# Altium PCB PCB3.PcbDoc
Units mil, origin at the board's own origin, x right, y up, seen from the top; angles counter-clockwise.
Board outline 1094.49 x 1094.49 mil, 4 copper layers (Top Layer, Layer 1, Layer 2, Bottom Layer), stack 23.756 mil thick; 47 components, 35 nets, 189 pads, 79 vias.
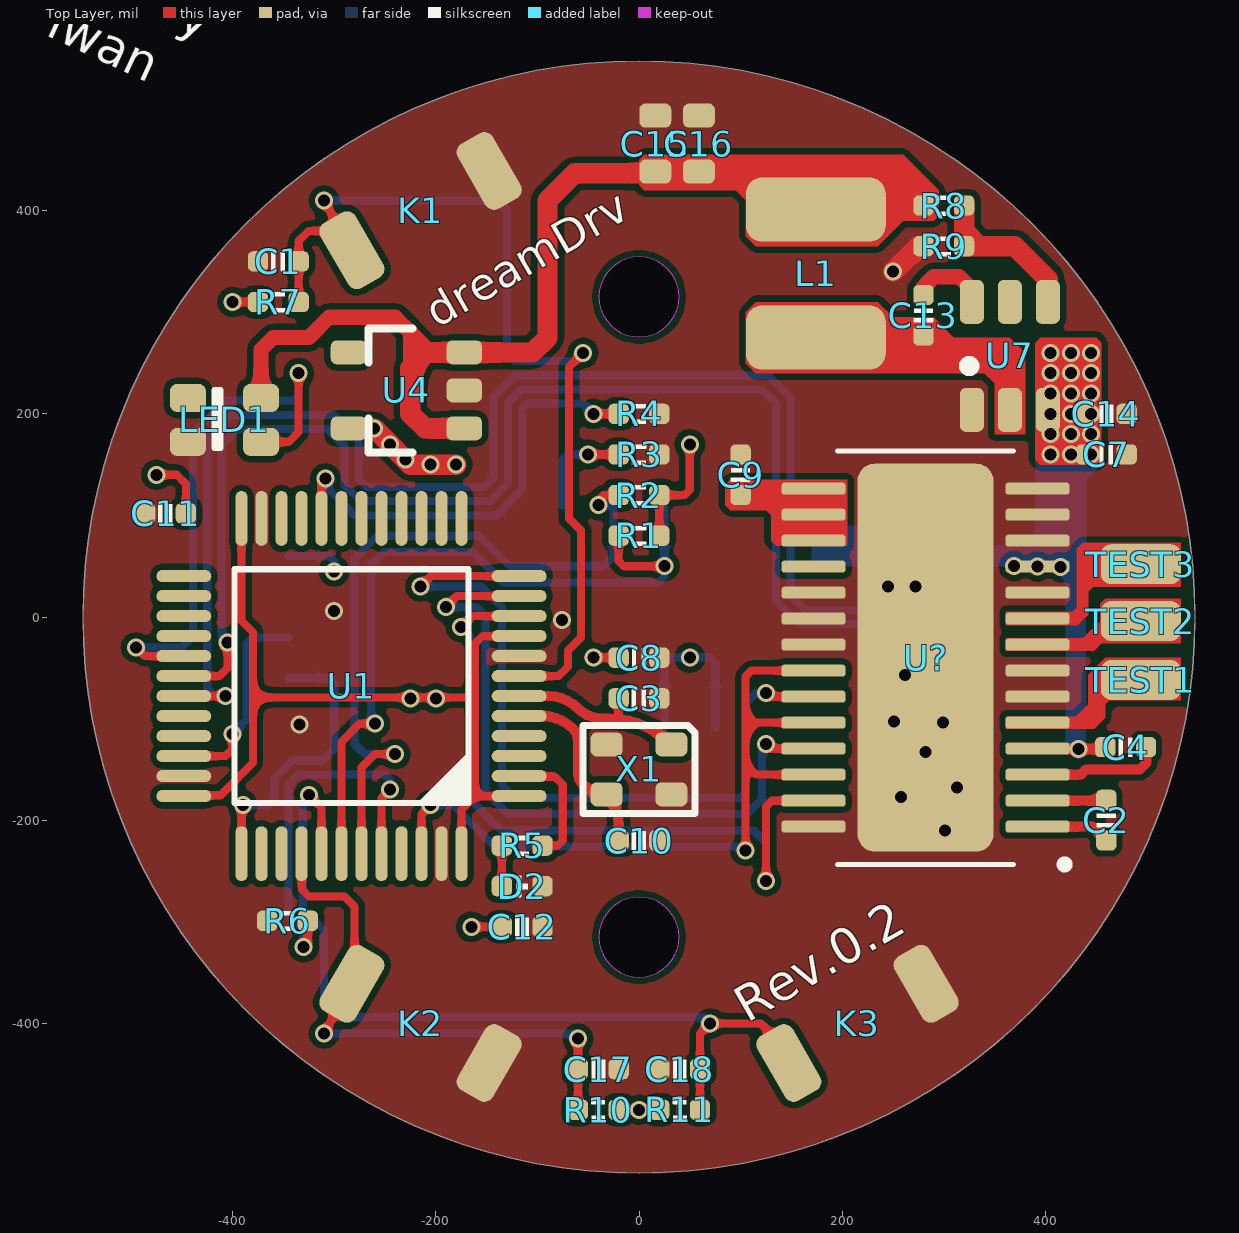
[diagram p0: Top Layer view]
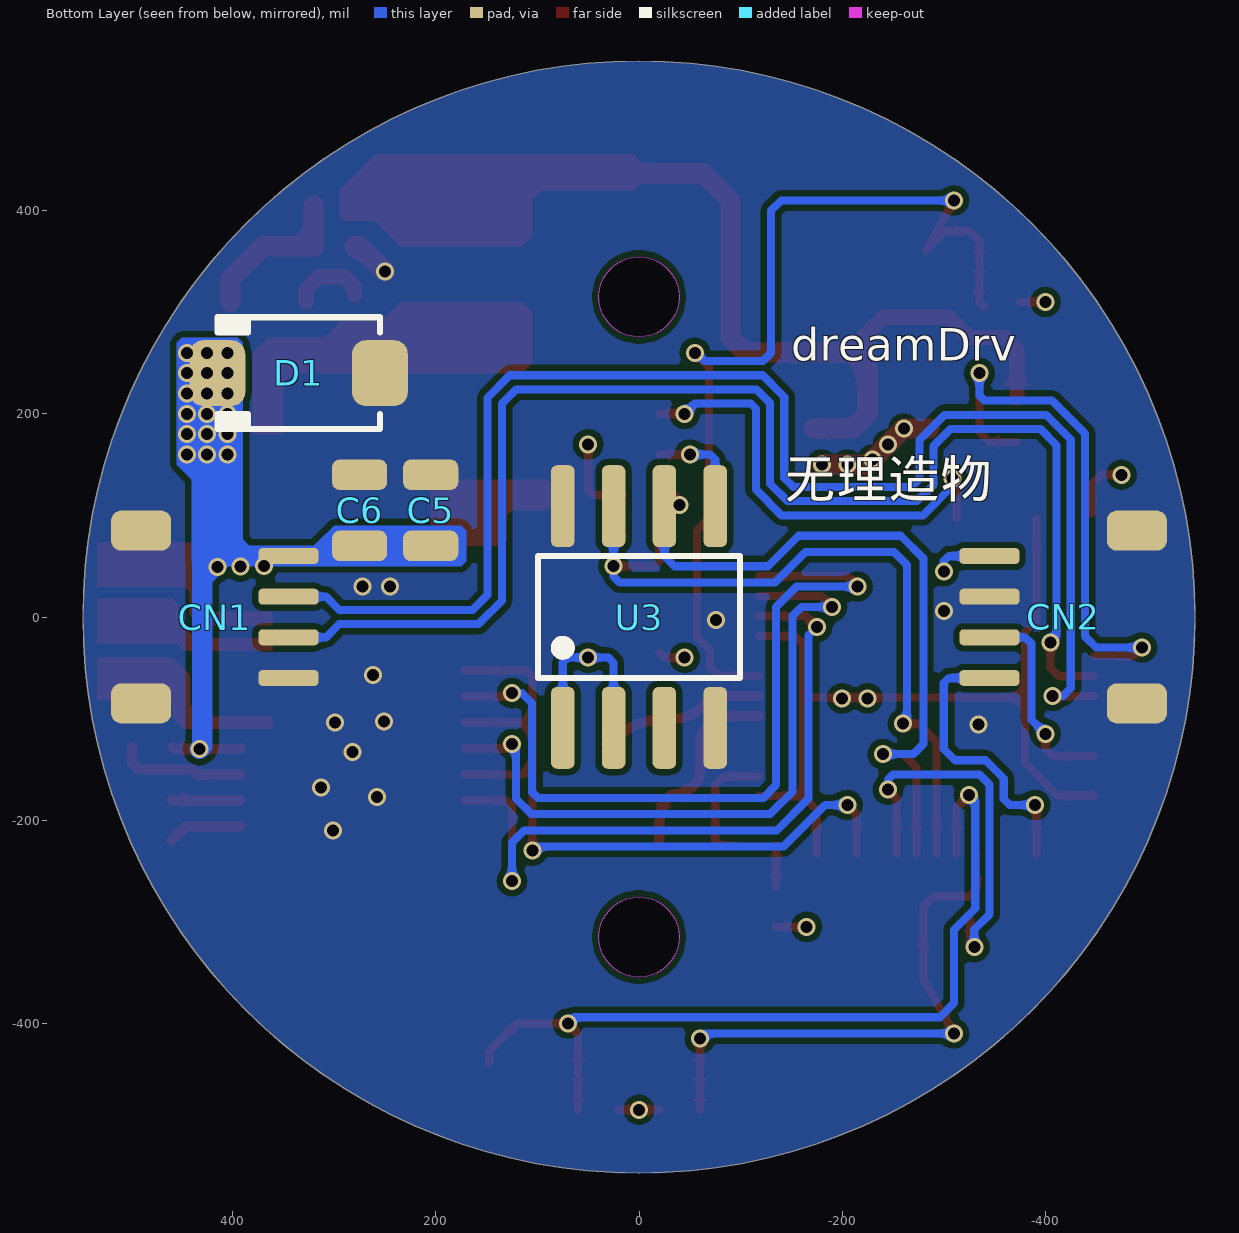
[diagram p1: Bottom Layer view, seen from below]
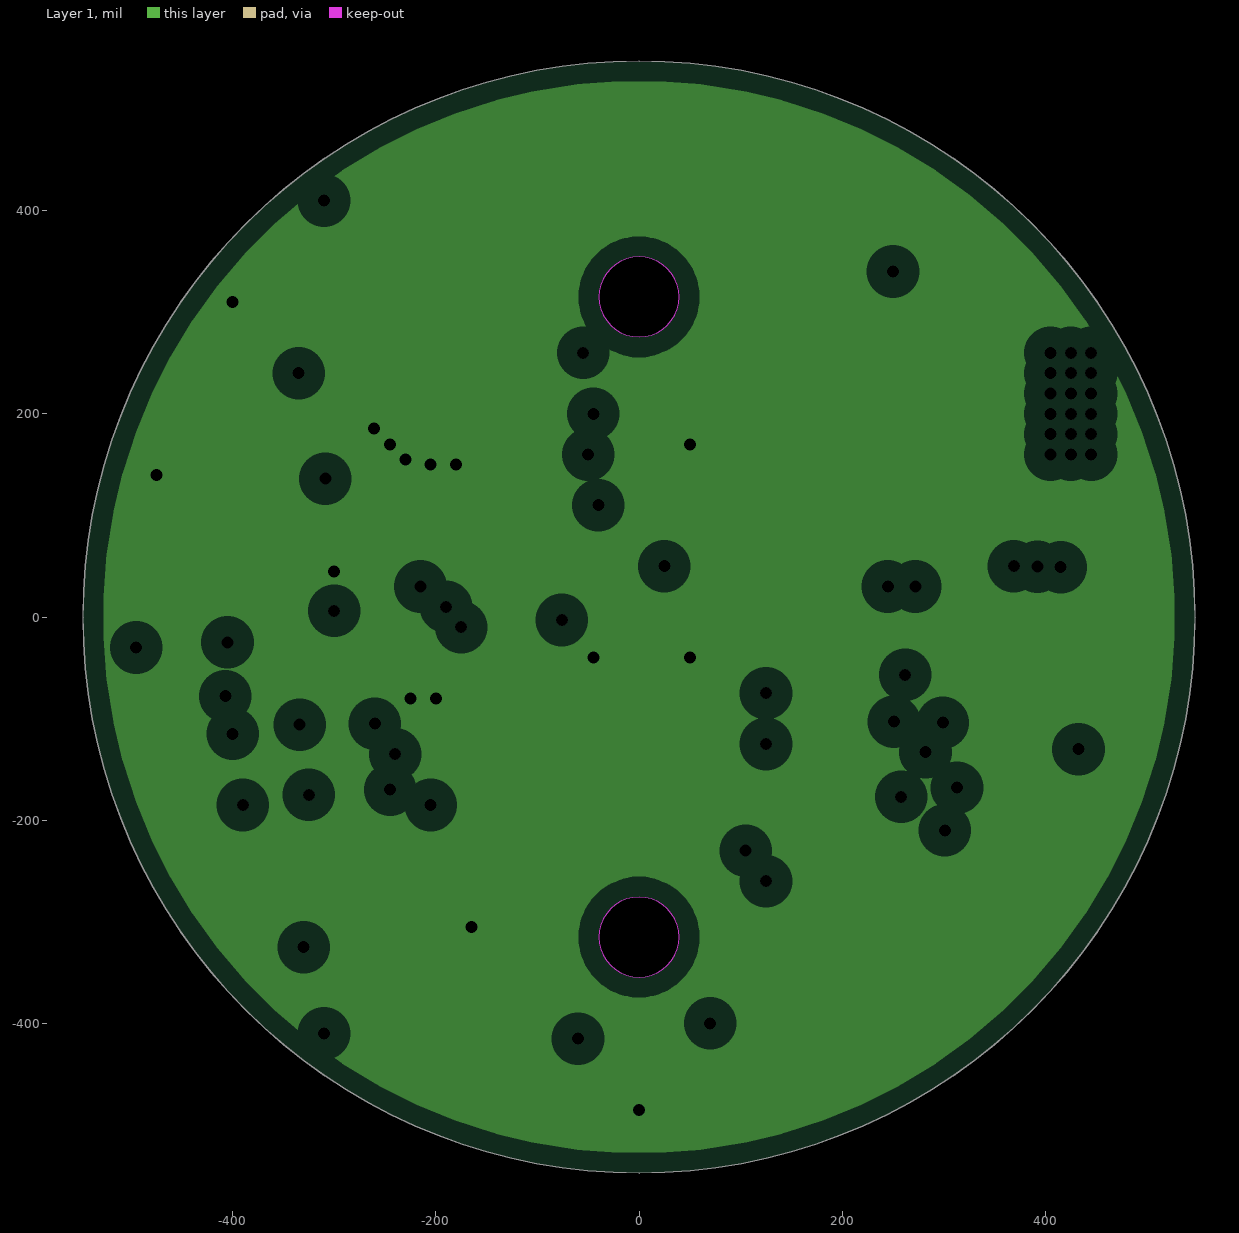
[diagram p2: Layer 1, clearances drawn from the general rule]
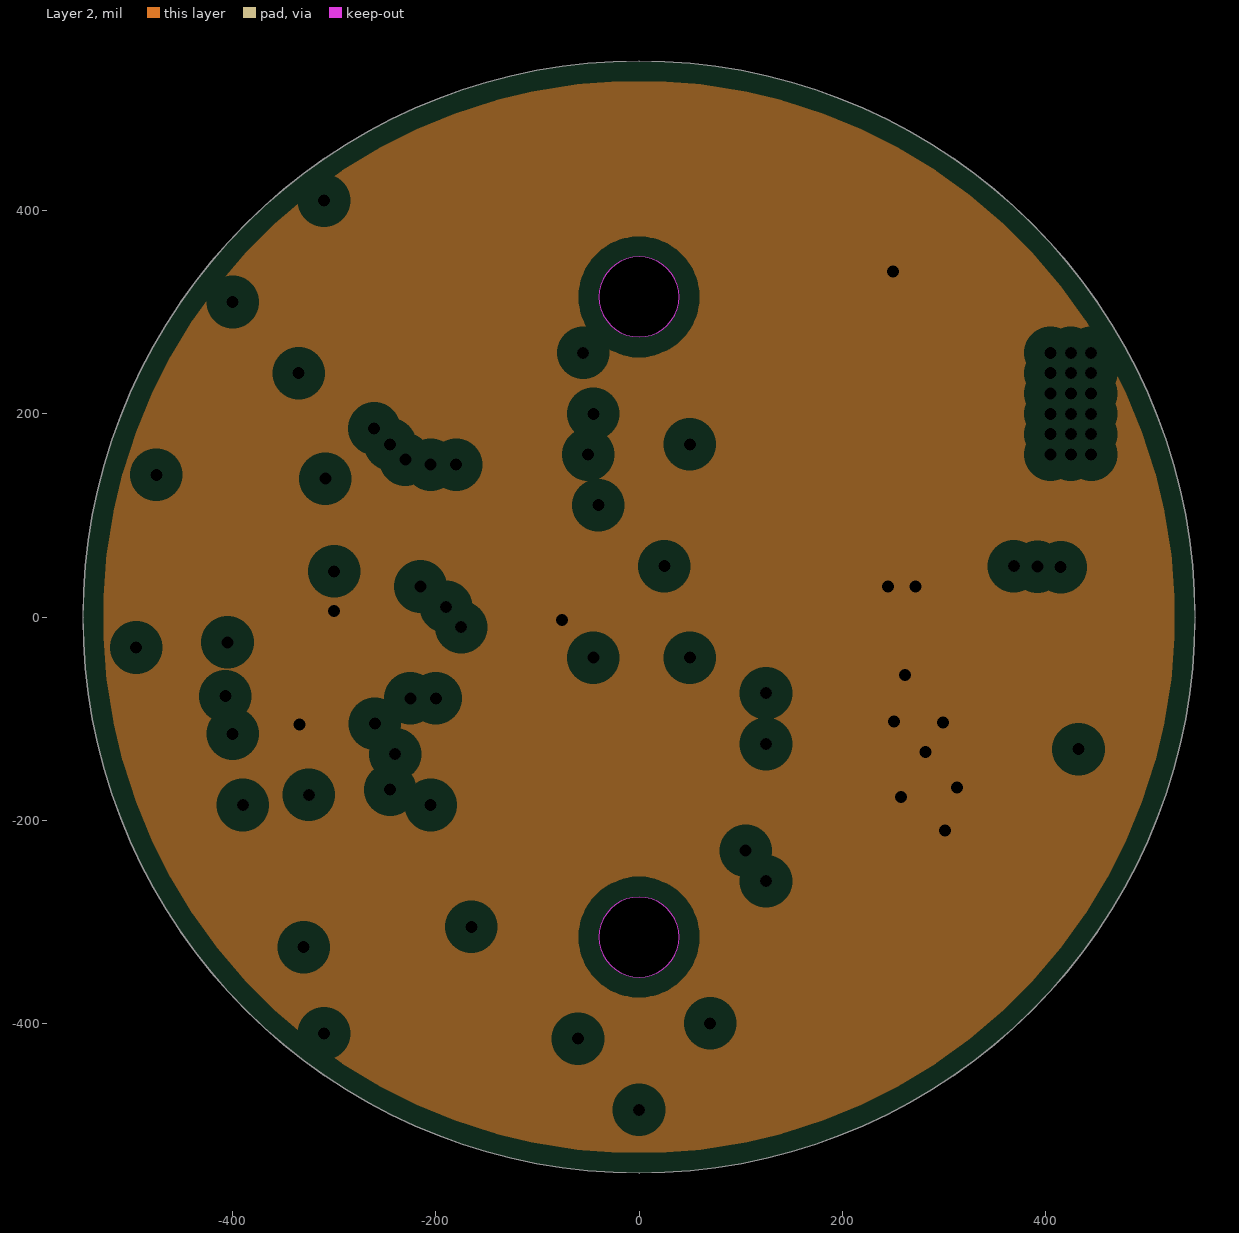
[diagram p3: Layer 2, clearances drawn from the general rule]
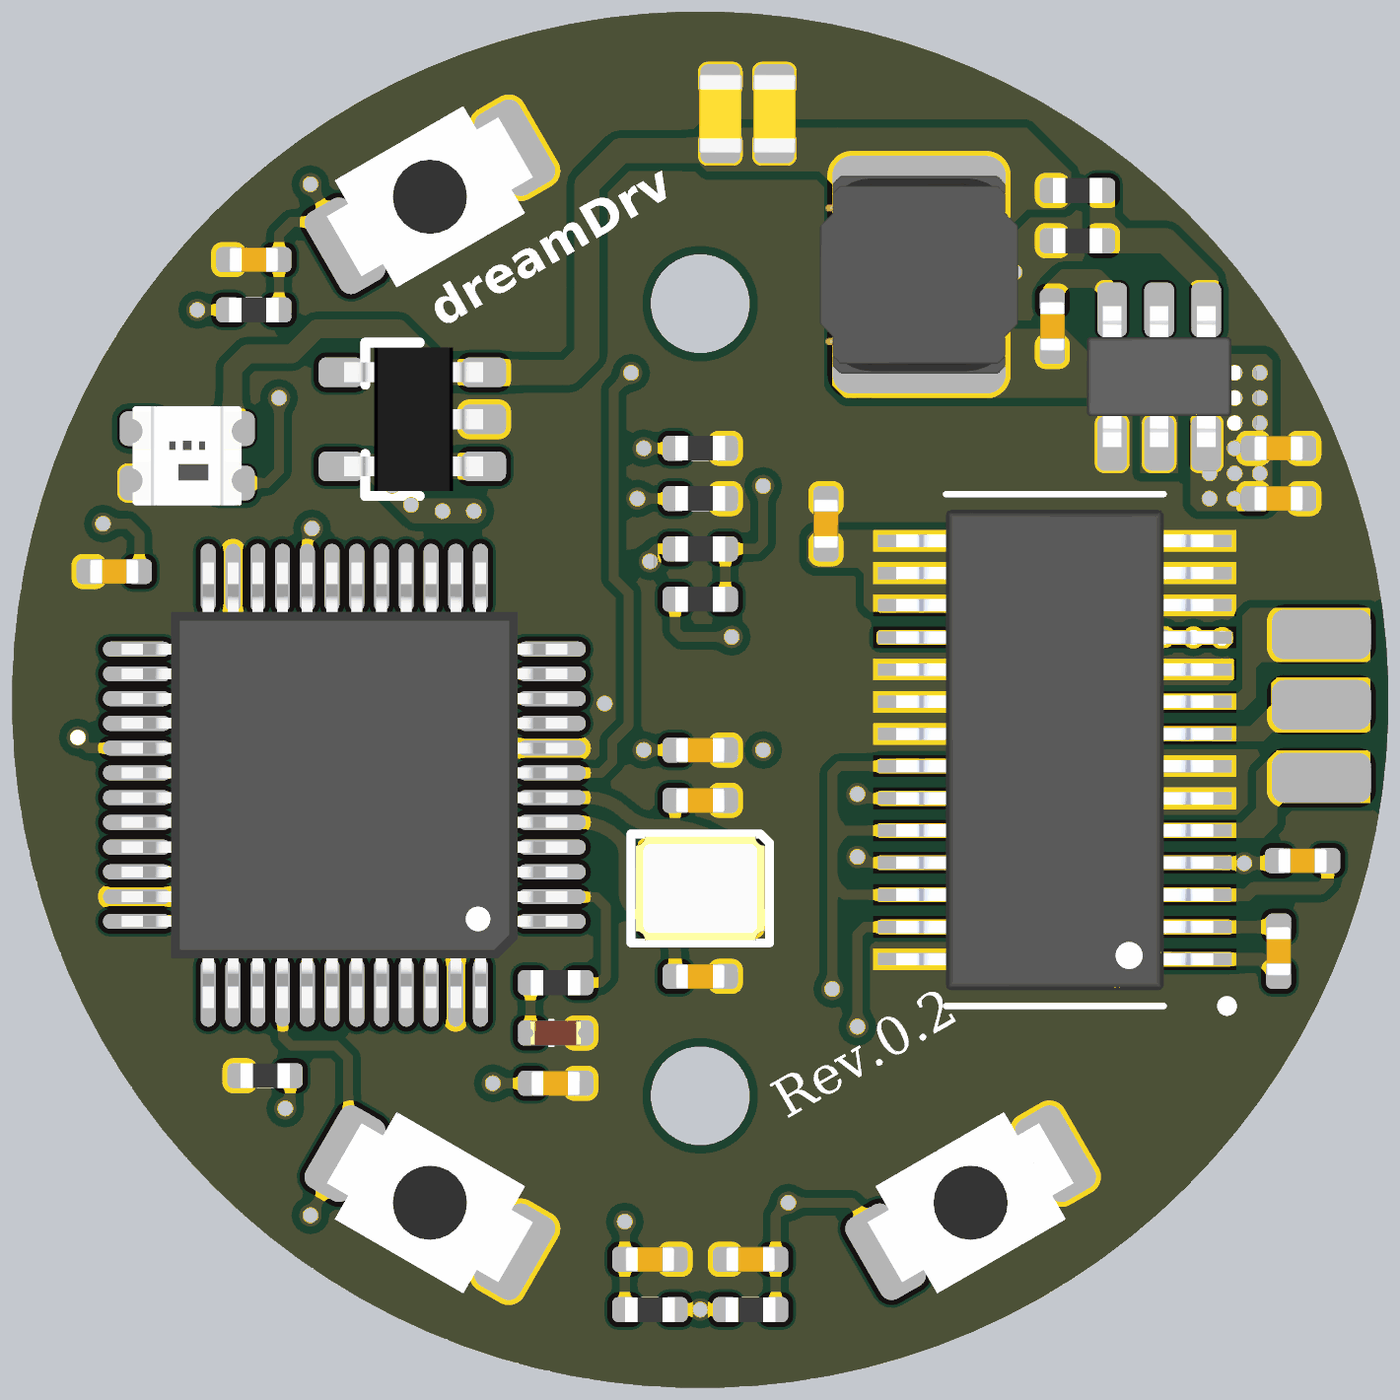
[diagram p4: 3D render of the assembled board from above, using the file's embedded part models]
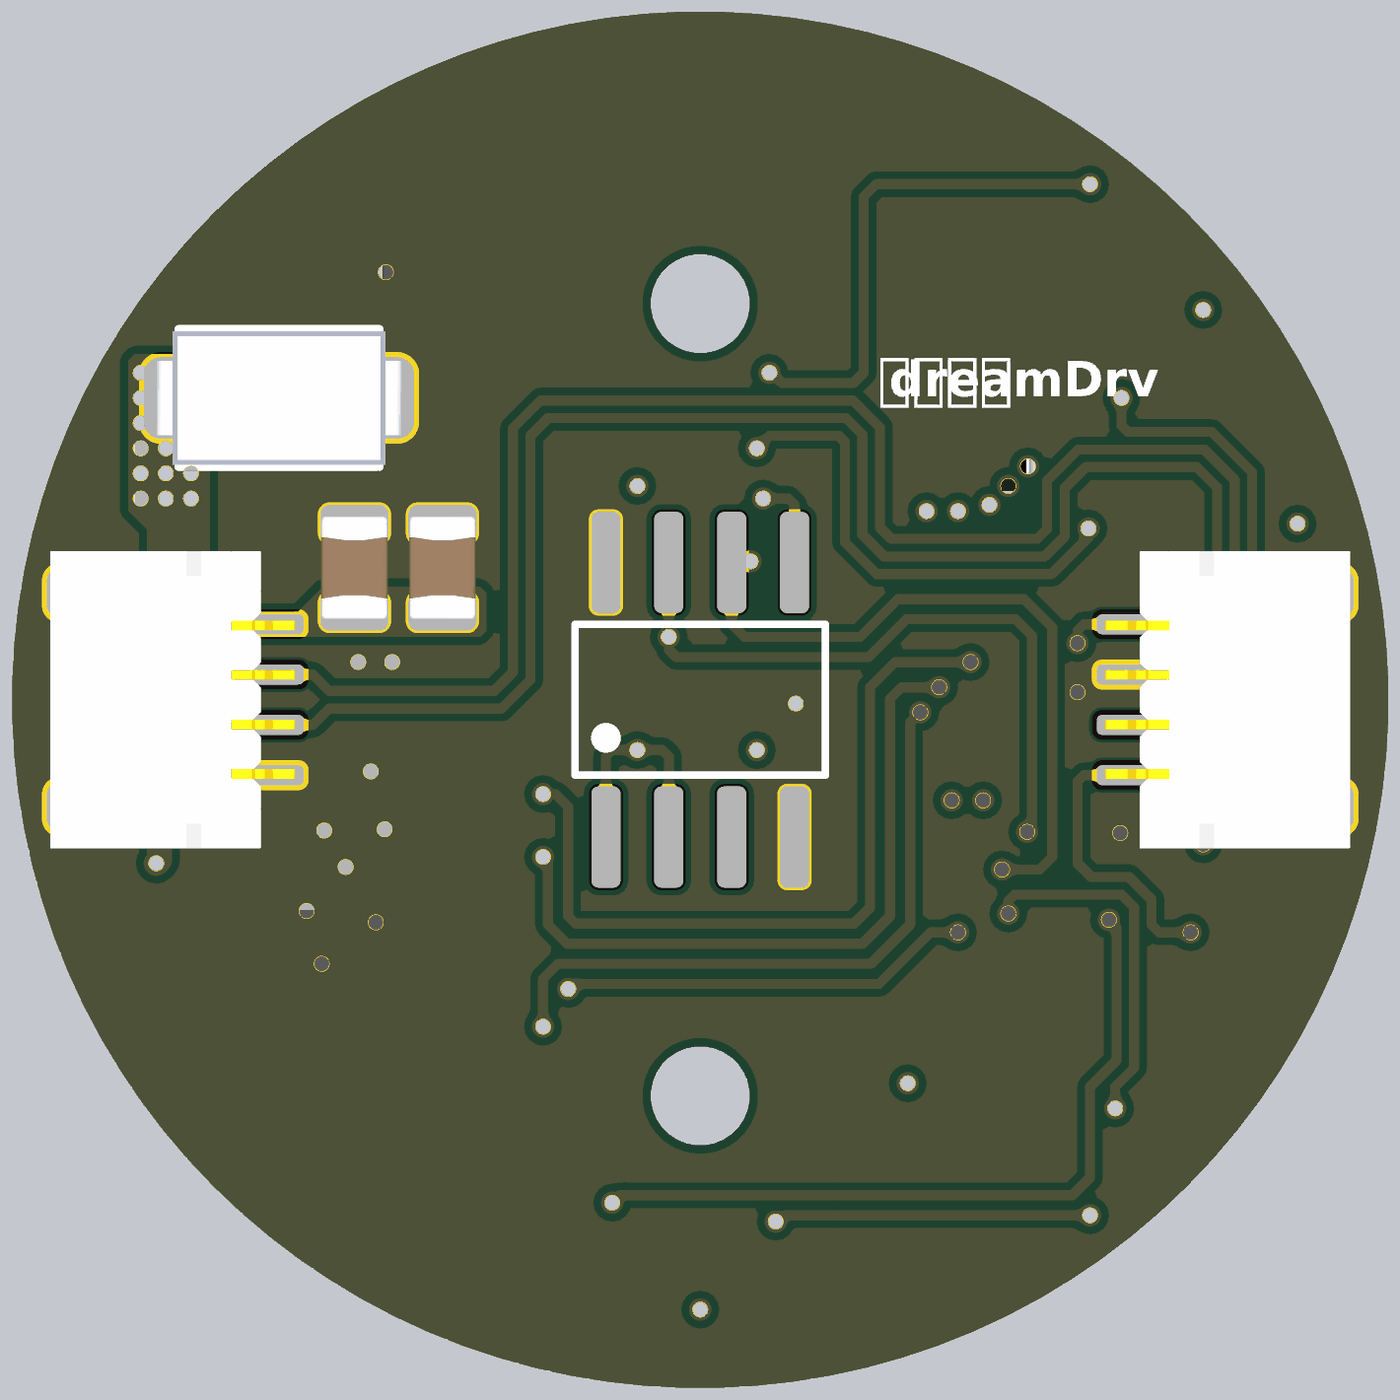
[diagram p5: 3D render of the assembled board from below, using the file's embedded part models]

## Layer stack, top to bottom
Top Solder: solder mask 0.4, Solder Resist, Dk 3.5
Top Layer: signal copper 1.4
Dielectric 2: prepreg 2.8, PP-006, Dk 4.1
Layer 1: plane copper 1.378, net +3.3
Dielectric 1: dielectric 12.6, FR-4, Dk 4.8
Layer 2: plane copper 1.378, net GND
Dielectric 3: prepreg 2.8, PP-006, Dk 4.1
Bottom Layer: signal copper 1.4
Bottom Solder: solder mask 0.4, Solder Resist, Dk 3.5

## Board outline
-547.24,0 ccw(c0,0) 0,-547.24 ccw(c0,0) 547.24,0 ccw(c0,0) 0,547.24 ccw(c0,0)
cut-out: -39.37,-315 ccw(c0,-315) 0,-354.37 ccw(c0,-315) 39.37,-315 ccw(c0,-315) 0,-275.63 ccw(c0,-315)
cut-out: -39.37,315 ccw(c0,315) 0,275.63 ccw(c0,315) 39.37,315 ccw(c0,315) 0,354.37 ccw(c0,315)

## Design rules (kind name [scope] priority, off if disabled: settings)
Clearance [All] p1: gap=6 ignorepadtopadclearanceinfootprint=FALSE
ComponentClearance [All] p1 off: gap=10 collisioncheckmode=3 verticalgap=10 showdistances=FALSE
HoleSize [All] p1: absolutevalues=TRUE maxlimit=248.03 minlimit=7.87 maxpercent=80.000 minpercent=20.000
HoleToHoleClearance [All] p1: gap=6 allowstackedmicrovias=TRUE
MinimumSolderMaskSliver [All] p1: minsoldermaskwidth=6
PlaneClearance [All] p1: clearance=20
PlaneConnect [All] p1: planeconnectstyle=Direct reliefexpansion=20 reliefentries=4 reliefconductorwidth=10 reliefairgap=10
PolygonConnect [All] p1: connectstyle=Direct reliefconductorwidth=10 reliefentries=4 polygonreliefangle="90 Angle" airgapwidth=10
RoutingVias [All] p1: holewidth=11.81 width=17.72 viastyle="Through Hole" minholewidth=11.81 minwidth=17.72 maxholewidth=236.22 maxwidth=393.7
SilkToSilkClearance [All] p1: silktosilkclearance=0
SilkToSolderMaskClearance [IsPad] p1: minsilkscreentomaskgap=0 clearancetoexposedcopper=FALSE
SolderMaskExpansion [All] p1: expansion=4
UnRoutedNet [All] p1: checkbadconnections=TRUE
Width [All] p1: maxlimit=100 minlimit=5 preferedwidth=8 minimp=50.000000 maximp=50.000000 favimp=50.000000
21 further rules are at their usual default settings.

## Components (designator, comment, footprint, x,y, rotation, side; value= is the part's Value field where it differs from the comment)
C1 "?uF" CAP_0402 -355,350 r0 top
C2 "10nF" CAP_0402 460,-200 r90 top
C3 "12pF" CAP_0402 0,-80 r0 top
C4 "100nF" CAP_0402 479,-128 r180 top
C5 "?uF" CAP_0805 205,105 r270 bottom
C6 "?uF" CAP_0805 275,105 r270 bottom
C7 "?uF" CAP_0402 460,160 r180 top
C8 "?uF" CAP_0402 0,-40 r180 top
C9 "0.47uF" CAP_0402 100,140 r270 top
C10 "12pF" CAP_0402 0,-220 r180 top
C11 "?uF" CAP_0402 -466,102 r0 top
C12 "?uF" CAP_0402 -115,-305 r180 top
C13 "100nF" CAP_0402 280,297 r90 top
C14 "100nF" CAP_0402 460,200 r180 top
C15 "100nF" CAP_0603 16,466 r90 top
C16 "100nF" CAP_0603 59,466 r90 top
C17 "?uF" CAP_0402 -40,-445 r180 top
C18 "?uF" CAP_0402 40,-445 r0 top
CN1 "HDGC1002WR-S-4P" SH1.0_4P 425,0 r270 bottom
CN2 "HDGC1002WR-S-4P" SH1.0_4P -425,0 r90 bottom
D1 "SMAJ16A" SMA 335,240 r0 bottom value=color?
D2 "color?" LED_0402 -115,-265 r0 top
K1 "TACT 2P" ButtonTACT_3*4*2_180 -215,400 r30 top
K2 "TACT 2P" ButtonTACT_3*4*2_180 -215,-400 r330 top
K3 "TACT 2P" ButtonTACT_3*4*2_180 215,-400 r30 top
L1 "10uH" IND-SMD_L4.0-W4.0 174,338 r90 top
LED1 "WS2812B-2020" LED-SMD_4P-L2.0-W2.0-TL_WS2812B-2020 -408,194 r0 top
R1 "1K" RES_0402 0,80 r0 top value=22R
R2 "1K" RES_0402 0,120 r0 top value=22R
R3 "1K" RES_0402 0,160 r0 top value=22R
R4 "1K" RES_0402 0,200 r180 top value=22R
R5 "1K" RES_0402 -115,-225 r0 top value=22R
R6 "1K" RES_0402 -346,-299 r0 top value=22R
R7 "1K" RES_0402 -355,310 r0 top value=22R
R8 "100K" RES_0402 300,405 r180 top value=22R
R9 "13.3K" RES_0402 300,365 r0 top value=22R
R10 "1K" RES_0402 -40,-485 r180 top value=22R
R11 "1K" RES_0402 40,-485 r0 top value=22R
TEST1 "TestPoint" TestPoint_0402 494,-62 r90 top
TEST2 "TestPoint" TestPoint_0402 494,-4 r90 top
TEST3 "TestPoint" TestPoint_0402 494,52 r90 top
U1 "STM32F103CBT6" LQFP_48 -283,-68 r180 top
U3 "AS5600-ASOT" SOIC-8_L4.9-W3.9-P1.27-LS6.0-BL 0,0 r180 bottom
U4 "LP2992" SOT23_5 -231,223 r180 top
U7 "TPS54202DDCR" SOT-23-6_L2.9-W1.6-P0.95-LS2.8-BR 365,257 r270 top
U? "DRV8313PWPR" HTSSOP_28 282,-40 r180 top
X1 "XYDBPCNANF-12MHZ" CARSTAL_4P_2520 0,-150 r180 top value=-

## Footprints (in the part's own frame and the unit in brackets; to place one, negate y for a bottom-side part, rotate by r counter-clockwise, add the part's x,y. Pads: shape width x height; smd on the part's side, far side on the other; paste and mask are expansions set on the pad)
ButtonTACT_3*4*2_180 [mil] "两脚小龟按钮_正按_不带定位柱"
  rrect50% 40x74 smd: 1(-78,0) 2(78,0)
  body extent -79,-49 79,49, height 63
CAP_0402 [mil] "CAP_0402"
  rrect50% 20x20 smd: 1(-20,0) 2(20,0)
  silkscreen extent -6,-9 6,9, body extent -20,-10 20,10, height 20
CAP_0603 [mm]
  rrect50% 0.6x0.8 smd mask+0.051: 1(-0.7,0) 2(0.7,0)
  body extent -0.8,-0.43 0.8,0.43, height 0.78
CAP_0805 [mil]
  rrect50% 30x54.21 smd mask+2: 1(-35,0) 2(35,0)
  body extent -41,-27 41,27, height 37
CARSTAL_4P_2520 [mm] "CARSTAL_2520"
  rrect50% 0.8x0.6 smd: 1(-0.81,-0.625) 2(0.81,-0.625) 3(0.81,0.625) 4(-0.81,0.625)
  silkscreen extent -1.4,-1.1 1.4,1.1, body extent -1.3,-1.05 1.3,1.05, height 0.55
HTSSOP_28 [mm] "HTSSOP_28"
  rrect50% 1.6x0.3 smd paste-2 mask+0: 1(-2.8,4.225) 2(-2.8,3.575) 3(-2.8,2.925) 4(-2.8,2.275) 5(-2.8,1.625) 6(-2.8,0.975) 7(-2.8,0.325) 8(-2.8,-0.325) 9(-2.8,-0.975) 10(-2.8,-1.625) 11(-2.8,-2.275) 12(-2.8,-2.925) 13(-2.8,-3.575) 14(-2.8,-4.225) 15(2.8,-4.225) 16(2.8,-3.575) 17(2.8,-2.925) 18(2.8,-2.275) 19(2.8,-1.625) 20(2.8,-0.975) 21(2.8,-0.325) 22(2.8,0.325) 23(2.8,0.975) 24(2.8,1.625) 25(2.8,2.275) 26(2.8,2.925) 27(2.8,3.575) 28(2.8,4.225)
  rrect25% 3.4x9.7 smd paste-6 mask+0: 29(0,0)
  silkscreen extent -3.58,-5.17 2.2,5.27, body extent -3.2,-4.85 3.2,4.85, height 1.2
IND-SMD_L4.0-W4.0 [mm]
  rrect50% 1.6x3.5 smd: 1(-1.6,0) 2(1.6,0)
  body extent -2,-2 2,2, height 1.8
LED-SMD_4P-L2.0-W2.0-TL_WS2812B-2020 [mm]
  rrect50% 0.9x0.7 smd mask+0.051: 1(-0.915,0.55) 2(-0.915,-0.55) 3(0.915,-0.55) 4(0.915,0.55)
  silkscreen extent -0.25,-0.7 -0.1,0.75, body extent -1.1,-1 1.1,1, height 0.84
LED_0402 [mil] "LED_0402"
  rrect50% 20x20 smd: 1(-20,0) 2(20,0)
  silkscreen extent -6,-11 6,11, body extent -20,-10 20,10, height 18
LQFP_48 [mil] "LQFP_48"
  oval 54x12 smd: 1(-165,108.27) 2(-165,88.58) 3(-165,68.9) 4(-165,49.21) 5(-165,29.53) 6(-165,9.84) 7(-165,-9.84) 8(-165,-29.53) 9(-165,-49.21) 10(-165,-68.9) 11(-165,-88.58) 12(-165,-108.27) 25(165,-108.27) 26(165,-88.58) 27(165,-68.9) 28(165,-49.21) 29(165,-29.53) 30(165,-9.84) 31(165,9.84) 32(165,29.53) 33(165,49.21) 34(165,68.9) 35(165,88.58) 36(165,108.27)
  oval 12x54 smd: 13(-108.27,-165) 14(-88.58,-165) 15(-68.9,-165) 16(-49.21,-165) 17(-29.53,-165) 18(-9.84,-165) 19(9.84,-165) 20(29.53,-165) 21(49.21,-165) 22(68.9,-165) 23(88.58,-165) 24(108.27,-165) 37(108.27,165) 38(88.58,165) 39(68.9,165) 40(49.21,165) 41(29.53,165) 42(9.84,165) 43(-9.84,165) 44(-29.53,165) 45(-49.21,165) 46(-68.9,165) 47(-88.58,165) 48(-108.27,165)
  silkscreen extent -115,-115 115,115, body extent -177,-177 177,177, height 61
RES_0402 [mil] "RES_0402"
  rrect50% 20x20 smd: 1(-20,0) 2(20,0)
  silkscreen extent -7,-10 6,10, body extent -20,-10 20,10, height 14
SH1.0_4P [mil] "SH1.0_4P"
  rrect50% 15.75x59.06 smd: 1(-60,80) 2(-20,80) 3(20,80) 4(60,80)
  rrect50% 39.37x59.06 smd: 5(85,-65) 6(-85,-65)
  body extent -118,-92 118,103, height 114
SMA [mil] "SMA"
  rrect50% 55x65 smd: 1(80,0) 2(-80,0)
  silkscreen extent -80,-55 80,55, body extent -98,-53 98,53, height 85
SOIC-8_L4.9-W3.9-P1.27-LS6.0-BL [mm]
  rrect50% 0.588x2.045 smd paste+0 mask+0.051: 1(-1.905,-2.772) 2(-0.635,-2.772) 3(0.635,-2.772) 4(1.905,-2.772) 5(1.905,2.772) 6(0.635,2.772) 7(-0.635,2.772) 8(-1.905,2.772)
  silkscreen extent -2.53,-1.52 2.53,1.52
SOT23_5 [mm] "SOT23_5"
  rrect50% 0.889x0.6 smd: 1(-1.5,0.95) 2(-1.5,0) 3(-1.5,-0.95) 4(1.396,-0.95) 5(1.396,0.95)
  silkscreen extent -0.2,-1.55 0.9,1.55, body extent -1.48,-1.45 1.32,1.45, height 1.2
SOT-23-6_L2.9-W1.6-P0.95-LS2.8-BR [mm]
  rrect50% 1.1x0.6 smd mask+0.051: 1(1.35,-0.95) 2(1.35,0) 3(1.35,0.95) 4(-1.35,0.95) 5(-1.35,0) 6(-1.35,-0.95)
  silkscreen extent 0.13,-1.14 0.38,-0.89, body extent -1.42,-1.46 1.42,1.46, height 1.07
TestPoint_0402 [mm]
  rrect50% 1x2 smd: 1(0,0)

## Part data
C1 C2 C3 C4 C5 C6 C7 C8 C9 C10 C11 C12 C13 C14 C15 C16 C17 C18: library part Capacitor_MLCC, "Capacitor_MLCC"
CN1 CN2: library part 4P端子, JLCPCB Part Class=扩展, LCSC Part Name=SH1.0针座卧贴, Manufacturer=HDGC(华德共, Add into BOM=yes, Convert to PCB=yes, Datasheet=https://atta.szlcsc.com/upload/public/pdf/source/20211229/E8A09E85670B5E97244D2008A24D97FE.pdf, Device=HDGC1002WR-S-4P, Manufacturer Part=HDGC1002WR-S-4P, Name=HDGC1002WR-S-4P, Supplier=LCSC, Supplier Footprint=SMD,P=1mm, Supplier Part=C2936214, Symbol=HDGC1002WR-S-4P
D1: library part Diode_SMD, "Diode_SMD"
D2: library part LED, "LED"
K1 K2 K3: library part Button_2P, "Button", Type="TACT 2P"
L1: library part Inductor_SMD, "Inductor_SMD"
LED1: "发光颜色:RGB三色;二极管配置:-;透镜颜色:-;主波长:470.4nm；622.5nm；515.6nm;峰值波长:-;色温:-;测试电流:12mA;功率:-;发光角度:-;安装方式:-;工"
R1 R2 R3 R4 R5 R6 R7 R8 R9 R10 R11: library part Resistor_SMD, "Resistor_SMD"
U1: "ARM Cortex-M3 32-bit MCU, 128 KB Flash, 20 KB Internal RAM, 37 I/Os, 48-pin LQFP, -40 to 85 degC, Tray", I/Os (High Current)=37, Operating Frequency(F) (Processor speed) (MHz)=72, Supplier Part Number 1=497-6288-ND, Supply Voltage(Vcc) min (V)=2, A/D Converter="2x12-bit (10 Channel)", ComponentLink1Description="Manufacturer URL", ComponentLink1URL=http://www.st.com/web/en/home.html, ComponentLink2Description=Datasheet, ComponentLink2URL=http://www.st.com/st-web-ui/static/active/en/resource/technical/document/datasheet/CD00161566.pdf, ComponentLink3Description="Package Specification", ComponentLink3URL=http://www.st.com/st-web-ui/static/active/en/resource/technical/document/datasheet/DM00058181.pdf, Core="ARM Cortex-M3", DatasheetVersion="Rev. 16", FLASH Size (Prog) (kB)=128, Internal RAM Size (kB)=20, Mounting Technology="Surface Mount", PackageDescription="48-Pin Low Profile Quad Flat Package, 7 x 7 mm Body, 0.5 mm Pitch", PackageReference=LQFP48, PackageVersion="Rev. 6, 06/2013", Packing=Tray, PartNumber=STM32F103CBT6, Supplier 1=Digi-Key, Supplier 2=Farnell, Supplier 3=Newark, Supplier 4=Newark, Supplier 5=Mouser, Supplier Part Number 2=1606327, Supplier Part Number 3=11N8296, Supplier Part Number 4=57P1214, Supplier Part Number 5=511-STM32F103CBT6
U3: JLCPCB Part Class="Extended Part", Manufacturer=ams(艾迈斯半, Add into BOM=yes, Convert to PCB=yes, Datasheet=https://atta.szlcsc.com/upload/public/pdf/source/20200324/C499458_E1461AFB0CE1042DE5756821C534625C.pdf, Device=AS5600-ASOT, LCSC Part Name=AS5600-ASOT, Manufacturer Part=AS5600-ASOT, Name=AS5600-ASOT, Supplier=LCSC, Supplier Footprint=SOIC-8, Supplier Part=C499458, Symbol=AS5600-ASOT
U4: "LP2992_LDO"
U7: JLCPCB Part Class="Extended Part", Manufacturer=TI(德州仪, Add into BOM=yes, Convert to PCB=yes, Datasheet=https://atta.szlcsc.com/upload/public/pdf/source/20181012/C191884_C6DBFD980275651BD8C8F427C2E48058.pdf, Device=TPS54202DDCR, LCSC Part Name=TPS54202DDCR, Manufacturer Part=TPS54202DDCR, Name=TPS54202DDCR, Supplier=LCSC, Supplier Footprint=SOT-23-6, Supplier Part=C191884, Symbol=TPS54202DDCR
U?: "类型:无刷直流BLDC;电源电压:8V~60V;输出电流:-;接口:并行;", JLCPCB Part Class=扩展, LCSC Part Name=ÎÞË¢Ö±Á÷BLDCµç»úÇý¶, Manufacturer=TI(德州仪, Operating Temperature=-40℃~+150℃@(Tj, Output Current=-, Supply Voltage=8V~60V, Add into BOM=yes, Convert to PCB=yes, Datasheet=https://www.ti.com/cn/lit/gpn/drv8313, Device=DRV8313PWPR, Interface=²¢Ð, Manufacturer Part=DRV8313PWPR, Name=DRV8313PWPR, Supplier=LCSC, Supplier Footprint=TSSOP-28-EP, Supplier Part=C92482, Symbol=DRV8313PWPR, Type=无刷直流B
X1: library part Crystal_4P, "四脚无源晶振", Frequency Stability=-, JLCPCB Part Class=扩展, LCSC Part Name="12MHz 12pF ¡À10ppm -20~+70¡", Manufacturer=TAITIEN(泰艺电, Add into BOM=yes, Convert to PCB=yes, Crystal Type=-, Datasheet=https://atta.szlcsc.com/upload/public/pdf/source/20200427/C521567_8D8DDB0F2E066B5BAD7A5878EBE465E2.pdf, Device=XYDBPCNANF-12MHZ, Frequency Tolerance=-, Load Capacitance=-, Manufacturer Part=XYDBPCNANF-12MHZ, Name=-, Operating Temperature=-, Supplier=LCSC, Supplier Footprint=SMD2520-4P, Supplier Part=C521567, Symbol=XYDBPCNANF-12MHZ

## Via types
v1: diameter 17.72, hole 11.81, Top Layer to Bottom Layer, tented both sides, 79 vias

## Nets (pads, with @x,y where several pads share a name; then routed paths per layer and width w, separated by ;. In a path a pad name is that pad's centre, name@x,y a point inside that pad or via, vN(x,y) a via of type N, cw(c..) or ccw(c..) an arc to the next point about the centre after c; other vN are vias at no path point)
+3.3: C8.2 C11.2 C12.2 CN2.4 R1.2 R2.2 R7.1 R10.1 R11.1 U1.1 U1.9 U1.24 U1.36 U1.48 U3.1 U3.2 U4.5 | length 1554.9
  Top Layer w8: v1(-475,140) -455,140 -446,131 C11.2 ; U1.36 -447.23,-175.5 -412.09,-175.5 -380,-143.41 -380,-88.41 ; v1(-400,310) R7.1 ; U1.24 -391.27,-3.73 -380,-15 -380,-70 ; U1.48 -174.73,-189.73 -161.27,-176.27 ; v1(-165,-305) C12.2 ; U1.1 -161.27,-176.27 ; U1.9 -153.79,-18.79 -161.27,-26.27 -161.27,-70 ; v1@-50,-40 v1(-45,-40) -25,-40 C8.2@-20,-35 ; R10.1 v1(0,-485) R11.1 ; R1.2 R2.2 45,120 50,125 v1(50,170) ; -380,-88.41 -380,-79.2 ; -380,-88.41 -370.8,-79.2 ; -380,-79.2 -380,-70 ; -380,-79.2 -370.8,-79.2 ; -380,-70 -370.8,-79.2 ; -370.8,-79.2 -170.47,-79.2 ; -170.47,-79.2 -167.06,-79.2 -161.27,-85 ; -170.47,-79.2 -161.27,-70 ; -161.27,-176.27 -161.27,-85 ; -161.27,-85 -161.27,-70
  Top Layer w20: U4.5 v1(-260.6,185.6) v1(-245,170) v1(-230,155) -225,150 v1(-205,150) v1(-180,150)
  Bottom Layer w8: CN2.4 -305,60 -300,55 v1(-300,45) ; U3.2 25,-45 30,-40 v1(50,-40) 70,-40 75,-45 U3.1
  other v1: -225,-80 -200,-80
+5: C15.1 C16.1 L1.2 LED1.4 R8.2 U4.1 U4.3 | length 808.2
  Top Layer w15: LED1.4 -371.98,263.03 -360,275 -325,275 -305,295 -240,295 -225,280 ; -225,245 -225,275.8 ; -209.6,260.4 -225,275.8 ; -205.4,260.4 -225,280 ; -225,275.8 -225,280
  Top Layer w20: U4.1 -210.6,185.6 -225,200 -225,245 -209.6,260.4 -205.4,260.4 U4.3 -104.6,260.4 -90,275 -90,410 -63.37,436.63 14.19,436.63 C15.1 ; L1.2 L1.2@178.01,405
BTN1: C17.2 K2.1 R10.2 U1.40 | length 549.4
  Top Layer w8: U1.40 -331.83,-233.38 -331.83,-268.17 -325,-275 -290,-275 -280,-285 -280,-358.45 K2.1 v1(-310,-410) ; R10.2 C17.2 v1(-60,-415)
  Bottom Layer w8: v1(-310,-410) -67.09,-410 -62.09,-415 v1(-60,-415)
BTN2: C18.2 K3.1 R11.2 U1.41 | length 857.1
  Top Layer w8: v1(-325,-175) -312.53,-187.47 U1.41 ; R11.2 C18.2 60,-410 v1(70,-400) 120,-400 147.45,-427.45 K3.1
  Bottom Layer w8: v1(-325,-175) -331,-181 -331,-286.83 -310,-307.83 -310,-380 -296,-394 64,-394 v1(70,-400)
EN: U1.46 U?.22 U?.24 U?.26 | length 778
  Top Layer w8: U1.46 -214.1,-194.1 v1(-205,-185) ; v1(105,-230) 105,-145 ; U?.26@171.75,-155.14 115.14,-155.14 105,-145 ; U?.24 116.02,-103.98 ; U?.22 110.86,-52.8 105,-58.65 105,-95 ; 105,-145 105,-115 ; 105,-115 105,-95 ; 105,-115 116.02,-103.98 ; 105,-95 113.98,-103.98 116.02,-103.98
  Bottom Layer w8: v1(-205,-185) -183.25,-185 -142.25,-226 101,-226 v1(105,-230)
GND: C1.1 C3.2 C5.1 C6.1 C7.1 C8.1 C9.1 C10.1 C11.1 C12.1 C14.1 C15.2 C16.2 C17.1 C18.1 CN1.4 CN1.5 CN1.6 CN2.3 CN2.5 CN2.6 D1.2 D2.2 K1.2 K2.2 K3.2 LED1.2 R3.2 R4.1 R6.1 R9.1 U1.8 U1.23 U1.35 U1.47 U3.4 U3.8 U4.2 U7.1 U?.6 U?.7 U?.10 U?.12 U?.13 U?.14 U?.19 U?.20 U?.21 U?.28 U?.29 X1.2 X1.4 | length 40.4
  Top Layer w20: v1(250,340) 275,365 R9.1
  other v1: 301,-210 258,-177 313,-168 282,-133 -334,-106 299,-104 251,-103 262,-57 -76,-3 -300,6 245,30 272,30
IN1: U1.10 U?.27 | length 704.1
  Top Layer w8: v1(-175,-10) -164.1,0.9 U1.10 ; v1(125,-260) 125,-186.5 130.75,-180.75 U?.27
  Bottom Layer w8: v1(-175,-10) -167,-18 -167,-178.63 -135.63,-210 113.08,-210 125,-221.92 v1(125,-260)
IN2: U1.11 U?.25 | length 683.7
  Top Layer w8: v1(-190,10) -179.42,20.58 U1.11 ; v1(125,-125) 125.87,-125 130.43,-129.57 U?.25
  Bottom Layer w8: v1(-190,10) -189.86,9.86 -159.86,9.86 -151,1 -151,-172 -129,-194 106,-194 121.14,-178.86 121.14,-128.86 v1(125,-125)
IN3: U1.12 U?.23 | length 773.1
  Top Layer w8: v1(-215,30) -204.73,40.27 U1.12 ; v1@125,-72.64 130.75,-78.39 U?.23
  Bottom Layer w8: v1(-215,30) -214.86,29.86 -154.86,29.86 -135,10 -135,-165.37 -122.37,-178 99.37,-178 105.14,-172.23 105.14,-84.86 115,-75 v1(125,-75)
NetC1_2: C1.2 K1.1 R7.2 U1.7 | length 970.2
  Top Layer w8: R7.2@-340,305 R7.2 C1.2 -335,370 -325,380 -301.55,380 K1.1 v1(-310,410) ; U1.7 -79.16,-58.16 -70,-49 -70,-33 -57.14,-20.14 -57.14,85.14 -68.86,96.86 -68.86,246.14 v1(-55,260)
  Bottom Layer w8: v1(-310,410) -140,410 -130,400 -130,260 -122,252 -65,252 -57,260 v1(-55,260)
NetC2_1: C2.1 U?.1 | length 73.4
  Top Layer w10: U?.1 446.34,-206.34 C2.1
NetC2_2: C2.2 U?.2 | length 68.1
  Top Layer w10: U?.2 459.25,-180.75 C2.2
NetC4_1: C4.1 U?.3 | length 127.5
  Top Layer w10: U?.3 434.84,-155.16 440,-150 493.14,-150 499,-144.14 C4.1
NetC9_2: C9.2 U?.15 U?.16 U?.17
NetC13_1: C13.1 L1.1 U7.2 | length 142.3
  Top Layer w20: C13.1 292,265 350,265 365,250 U7.2
NetC13_2: C13.2 U7.6 | length 77.2
  Top Layer w15: C13.2 280,325 290,335 315,335 327.6,322.4 U7.6
NetD2_1: D2.1 R5.1 | length 40
  Top Layer w8: D2.1 R5.1
NetLED1_3: LED1.3 U1.29 | length 551.1
  Top Layer w8: v1(-495,-30) -486.53,-38.47 U1.29 ; LED1.3 -344.69,172.34 -335,182.03 v1(-335,240)
  Bottom Layer w8: v1(-495,-30) -450,-30 -439,-19 -439,180.6 -406.6,213 -340,213 -335,218 v1(-335,240)
NetR3_1: R3.1 U3.5 | length 102.9
  Top Layer w8: v1(-50,160) R3.1
  Bottom Layer w8: U3.5 -75,155 -70,160 v1(-50,160)
NetR4_2: R4.2 U1.20 | length 439.7
  Top Layer w8: U1.20 v1@-312.53,132.47 ; v1(-45,200) R4.2
  Bottom Layer w8: v1(-308.76,136.24) -308.76,129.17 -279.6,100 -140.4,100 -115,125.4 -115,205 -110,210 -55,210 v1(-45,200)
NetR5_2: R5.2 U1.2 | length 123.6
  Top Layer w8: U1.2 -117.62,-156.97 -83.03,-156.97 -75,-165 -75,-220 -80,-225 R5.2
NetR6_2: R6.2 U1.44 | length 376.6
  Top Layer w8: v1(-330,-325) -326,-321 R6.2 ; U1.44 -253.47,-178.47 v1(-245,-170)
  Bottom Layer w8: v1(-330,-325) -330,-307.63 -345,-292.63 -345,-165 -335,-155 -250,-155 -245,-160 v1(-245,-170)
NetR8_1: R8.1 R9.2 U7.4 | length 179.5
  Top Layer w20: R8.1 320,380 ; U7.4 402.4,332.6 370,365 335,365 ; 320,380 335,365 ; 320,380 R9.2 335,365
RX: CN1.2 U1.31 | length 1445.5
  Top Layer w8: U1.31 v1(-407.16,-77.84)
  Bottom Layer w8: v1(-407.16,-77.84) -417.16,-77.84 -425,-70 -425,174.8 -400.8,199 -300.67,199 -275.91,174.24 -275.91,135.91 -268,128 -152,128 -143,137 -143,216.6 -121.6,238 126.8,238 149,215.8 149,21.8 163.8,7 295,7 308,20 CN1.2
SCL: R1.1 U1.42 U3.7 | length 758.4
  Top Layer w8: U1.42 -292.84,-122.84 -275,-105 v1(-260,-105) ; R1.1 -20,55 -15,50 v1(25,50)
  Bottom Layer w8: v1(-260,-105) -263.86,-101.14 -263.86,51.14 -251,64 -163.76,64 -133.76,34 19,34 25,40 v1(25,50) U3.7
SDA: R2.1 U1.43 U3.6 | length 722.5
  Top Layer w8: U1.43 -273.16,-148.16 -260,-135 v1(-240,-135) ; v1(-40,110) -40,115 -35,120 R2.1
  Bottom Layer w8: v1(-240,-135) -270,-135 -279.86,-125.14 -279.86,57.77 -257.63,80 -157.13,80 -127.13,50 -35,50 -25,60 U3.6 -25.85,110 v1(-40,110)
SWCLK: CN2.1 U1.37 | length 285.1
  Top Layer w8: U1.37 -391.27,-186.27 v1(-390,-185)
  Bottom Layer w8: v1(-390,-185) -365,-185 -359,-179 -359,-159 -341,-141 -311,-141 -300,-130 -300,-65 -305,-60 CN2.1
SWDIO: CN2.2 U1.34 | length 204.1
  Top Layer w8: U1.34 -406.9,-136.9 -400,-130 v1(-400,-115)
  Bottom Layer w8: v1(-400,-115) -386.14,-101.14 -386.14,-26.14 -380,-20 CN2.2
TX: CN1.3 U1.30 | length 1389.4
  Top Layer w8: U1.30 -412.86,-58.16 -405,-50.3 v1(-405,-25)
  Bottom Layer w8: v1(-405,-25) -411,-19 -411,169 -395,185 -306.47,185 -289.91,168.44 -289.91,130.11 -273.8,114 -146.2,114 -129,131.2 -129,210.8 -115.8,224 121,224 135,210 135,16 158,-7 295,-7 308,-20 CN1.3
U: TEST1.1 U?.5
V: TEST2.1 U?.8
VBAT: C4.2 C5.2 C6.2 C7.2 C14.2 CN1.1 D1.1 U7.3 U?.4 U?.11 | length 482.5
  Top Layer w10: U?.4 392.67,-130 v1(432.64,-130) 457,-130 C4.2
  Bottom Layer w10: 385,60 385,65 400,80
  Bottom Layer w20: C5.2 C6.2@276,70 ; CN1.1 385,60 408.28,60 ; v1(432.64,-130) 430,-127.36 430,38.28 ; 408.28,60 430,38.28 ; 408.28,60 420,71.72 430,61.72 430,38.28
  other v1: 415,49 369,50 392.24,49.57 405,160 425,160 445,160 405,180 425,180 445,180 405,200 425,200 445,200 405,220 425,220 445,220 405,240 425,240 445,240 405,260 425,260 445,260
W: TEST3.1 U?.9
XTAL_A: C10.2 U1.5 X1.3 | length 188.3
  Top Layer w10: U1.5 -95.11,-97.53 cw(c-95.11,-140.11) -65,-110 cw(c-77.07,-122.07) -60,-122.07 -60,-152.93 ccw(c-42.93,-152.93) -55,-165 -54.94,-165.06 ccw(c-31.89,-142.01) X1.3 cw(c-60.59,-203.31) -20,-203.31 C10.2
XTAL_B: C3.1 U1.6 X1.1 | length 182.6
  Top Layer w8: -20,-100 C3.1
  Top Layer w10: U1.6 -89.35,-77.84 cw(c-89.35,-119.35) -60,-90 ccw(c-35.86,-65.86) -35.86,-100 -29.41,-100 cw(c-29.41,-186.7) X1.1
pads on no net: LED1.1 U1.3 U1.4 U1.13 U1.14 U1.15 U1.16 U1.17 U1.18 U1.19 U1.21 U1.22 U1.25 U1.26 U1.27 U1.28 U1.32 U1.33 U1.38 U1.39 U1.45 U3.3 U4.4 U7.5 U?.18

## Polygon pours and split planes (outlines as drawn)
GND on Top Layer "Top Layer-GND" (solid, remove dead copper, pour order 0): -547.24,0 ccw(c0,0) 0,-547.24 ccw(c0,0) 547.24,0 ccw(c0,0) 0,547.24 ccw(c0,0)
GND on Bottom Layer "Bottom Layer-GND" (solid, remove dead copper, pour order 2): -547.24,0 ccw(c0,0) 0,-547.24 ccw(c0,0) 547.24,0 ccw(c0,0) 0,547.24 ccw(c0,0)
+3.3 on Layer 1 (split plane): 62.01,523.9 102.92,517.42 143.2,507.75 182.6,494.95 220.86,479.09 257.77,460.29 293.09,438.65 326.61,414.3 358.1,387.39 387.4,358.1 414.3,326.6 438.64,293.09 460.29,257.77 479.09,220.86 494.95,182.6 507.75,143.2 517.42,102.92 523.9,62.01 527.15,20.71 527.15,0 527.15,-20.71 523.9,-62.01 517.42,-102.92 507.75,-143.2 494.95,-182.6 479.09,-220.86 460.29,-257.77 438.64,-293.09 414.3,-326.6 387.4,-358.1 358.1,-387.39 326.61,-414.3 293.09,-438.65 257.77,-460.29 220.86,-479.1 182.6,-494.95 143.2,-507.75 102.92,-517.42 62.01,-523.9 20.71,-527.15 -20.71,-527.15 -62.01,-523.9 -102.92,-517.42 -143.2,-507.75 -182.6,-494.95 -220.86,-479.1 -257.77,-460.29 -293.09,-438.64 -326.6,-414.3 -358.1,-387.4 -387.39,-358.1 -414.3,-326.61 -438.65,-293.09 -460.29,-257.77 -479.1,-220.86 -494.95,-182.6 -507.75,-143.2 -517.42,-102.92 -523.9,-62.01 -527.15,-20.71 -527.15,0 -527.15,20.71 -523.9,62.01 -517.42,102.92 -507.75,143.2 -494.95,182.6 -479.1,220.86 -460.29,257.77 -438.65,293.09 -414.3,326.61 -387.39,358.1 -358.1,387.4 -326.6,414.3 -293.09,438.64 -257.77,460.29 -220.86,479.09 -182.6,494.95 -143.2,507.75 -102.92,517.42 -62.01,523.9 -20.71,527.15 20.71,527.15
GND on Layer 2 (split plane): 62.01,523.9 102.92,517.42 143.2,507.75 182.6,494.95 220.86,479.09 257.77,460.29 293.09,438.65 326.61,414.3 358.1,387.39 387.4,358.1 414.3,326.6 438.64,293.09 460.29,257.77 479.09,220.86 494.95,182.6 507.75,143.2 517.42,102.92 523.9,62.01 527.15,20.71 527.15,0 527.15,-20.71 523.9,-62.01 517.42,-102.92 507.75,-143.2 494.95,-182.6 479.09,-220.86 460.29,-257.77 438.64,-293.09 414.3,-326.6 387.4,-358.1 358.1,-387.39 326.61,-414.3 293.09,-438.65 257.77,-460.29 220.86,-479.1 182.6,-494.95 143.2,-507.75 102.92,-517.42 62.01,-523.9 20.71,-527.15 -20.71,-527.15 -62.01,-523.9 -102.92,-517.42 -143.2,-507.75 -182.6,-494.95 -220.86,-479.1 -257.77,-460.29 -293.09,-438.64 -326.6,-414.3 -358.1,-387.4 -387.39,-358.1 -414.3,-326.61 -438.65,-293.09 -460.29,-257.77 -479.1,-220.86 -494.95,-182.6 -507.75,-143.2 -517.42,-102.92 -523.9,-62.01 -527.15,-20.71 -527.15,0 -527.15,20.71 -523.9,62.01 -517.42,102.92 -507.75,143.2 -494.95,182.6 -479.1,220.86 -460.29,257.77 -438.65,293.09 -414.3,326.61 -387.39,358.1 -358.1,387.4 -326.6,414.3 -293.09,438.64 -257.77,460.29 -220.86,479.09 -182.6,494.95 -143.2,507.75 -102.92,517.42 -62.01,523.9 -20.71,527.15 20.71,527.15

## Other copper
Top Layer:
  region net U: 459,-40 442,-57 442,-86 430,-98 361,-98 361,-110 448,-110 459,-99 459,-86 463,-82 533,-82 533,-40
  region net V: 361,-21 437,-21 454,-4 454,13 459,18 533,18 533,-26 455,-26 448,-33 361,-33
  region net W: 361,5 361,-8 432,-8 442,2 442,25 447,30 533,30 533,73 437,73 431,67 431,9 427,5
  region net VBAT: 390,220 390,270 395,275 450,275 455,270 455,220
  region net VBAT: 390,155 395,150 450,150 455,155 455,220 450,225 395,225 390,220
  region net VBAT: 390,220 390,180 415,180 415,215
  region net NetC13_1: 115,310 105,300 105,250 115,240 340,240 350,230 350,180 380,180 380,260 365,275 310,275 295,290 290,295 250,295 235,310
  region net +5: 290,425 260,455 5,455 0,450 0,425 5,420 95,420 105,410
  region net +5: 245,425 290,425 295,420 295,395 290,390 260,390 245,375
  region net +5: 115,435 105,425 105,375 115,365 235,365 245,375 245,425 235,435
  region net NetC9_2: 85,110 90,105 125,105 130,100 130,75 135,70 205,70 205,135 90,135 85,130
Bottom Layer:
  region net VBAT: 375,70 390,70 390,270 395,275 450,275 455,270 455,150 440,135 440,55 435,50 375,50
  region net VBAT: 175,90 170,85 170,55 175,50 300,50 375,50 375,70 320,70 315,75 300,90

## Silkscreen, mask and mechanical layers (free items; w line width, h text height)
Top Overlay:
  text "Design by / @tuiwan" at -678.86,604.26 h60 r335
  text "dreamDrv" at -193.13,274.4 h55 r30
  text "Rev.0.2" at 112.64,-410.35 h60 r30
Bottom Overlay:
  text "dreamDrv" at -150.01,241.41 h55
  text "无理造物" at -143,105.72 h64.17
Mechanical 1:
  circle w6: c0,-315 r39.37
  circle w6: c0,315 r39.37
  circle w6: c0,0 r547.24
Drill Drawing:
  text ".legend" at -492,744 h60